# Altium PCB Sensorhub_PCB.PcbDoc (continued)
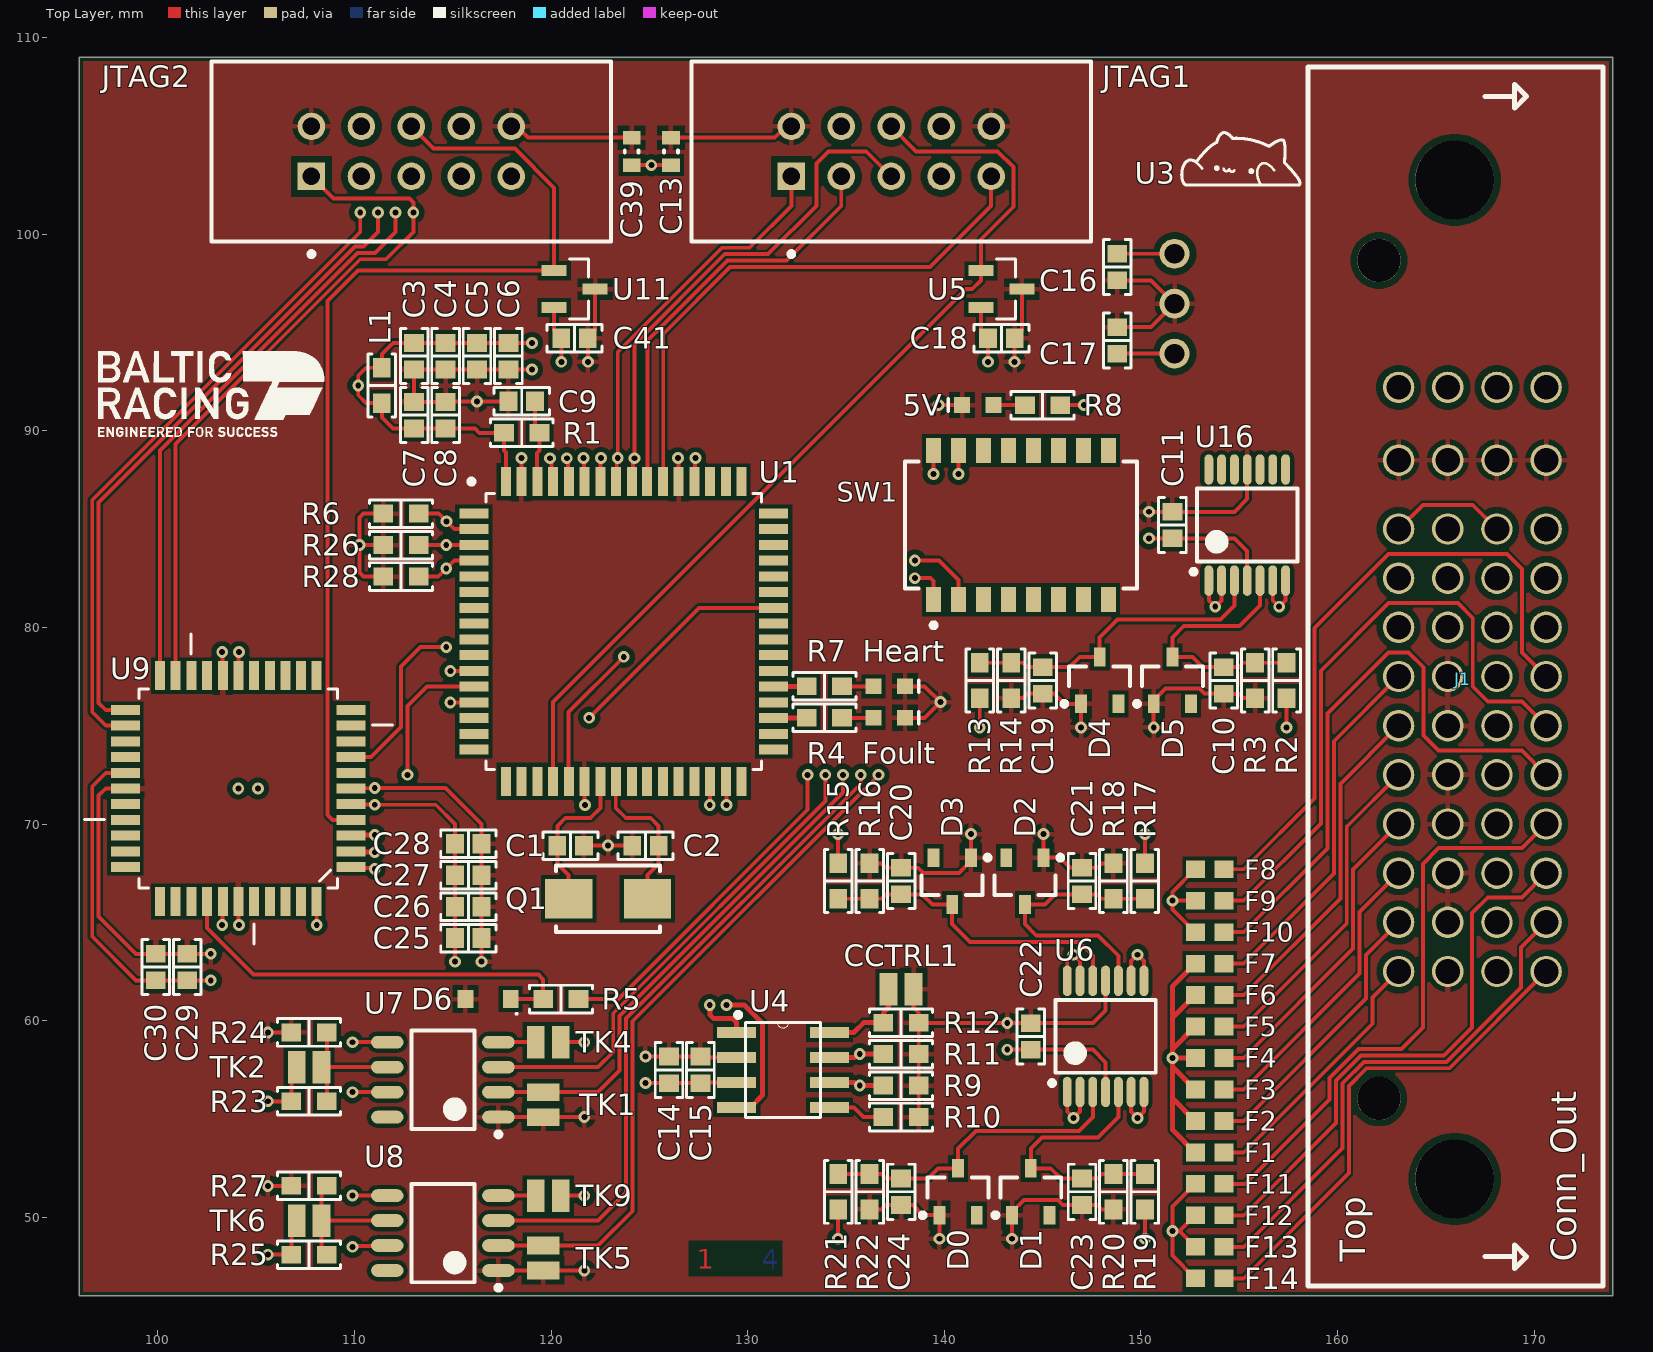
[diagram p0: Top Layer view]
## Footprints (in the part's own frame and the unit in brackets; to place one, negate y for a bottom-side part, rotate by r counter-clockwise, add the part's x,y. Pads: shape width x height; smd on the part's side, far side on the other; paste and mask are expansions set on the pad)
0603_A [mm] "Chip LED, 2-Leads, Body 1.6x0.8mm, IPC Medium Density"
  rect 0.8x0.8 smd: 1(-0.8,0) 2(0.8,0)
  silkscreen extent -1.5,-0.3 -1.5,0.3, body extent -0.8,-0.4 0.8,0.4, height 0.7
5007621001 [mm] "48 Pin CMC Header"
  round 1.6 hole 1.25: 1(-15,0) 2(-12.5,0) 3(-10,0) 4(-7.5,0) 5(-5,0) 6(-2.5,0) 7(0,0) 8(2.5,0) 9(5,0) 10(7.5,0) 11(11,0) 12(14.7,0) 13(-15,-2.5) 14(-12.5,-2.5) 15(-10,-2.5) 16(-7.5,-2.5) 17(-5,-2.5) 18(-2.5,-2.5) 19(0,-2.5) 20(2.5,-2.5) 21(5,-2.5) 22(7.5,-2.5) 23(11,-2.5) 24(14.7,-2.5) 25(-15,-5) 26(-12.5,-5) 27(-10,-5) 28(-7.5,-5) 29(-5,-5) 30(-2.5,-5) 31(0,-5) 32(2.5,-5) 33(5,-5) 34(7.5,-5) 35(11,-5) 36(14.7,-5) 37(-15,-7.5) 38(-12.5,-7.5) 39(-10,-7.5) 40(-7.5,-7.5) 41(-5,-7.5) 42(-2.5,-7.5) 43(0,-7.5) 44(2.5,-7.5) 45(5,-7.5) 46(7.5,-7.5) 47(11,-7.5) 48(14.7,-7.5)
  round 4 hole 4: NC(-25.55,-2.85) NC(25.25,-2.85)
  round 2.2 hole 2.2: NC(-21.45,1) NC(21.15,1)
  silkscreen extent -31,-10.4 31,4.6, body extent -40.39,-47.1 40.19,2, height 33.69
*QFP80P1600X1600X120-64N [mil]
  rect 58x20 smd: 1(-300,236) 2(-300,205) 3(-300,173) 4(-300,142) 5(-300,110) 6(-300,79) 7(-300,47) 8(-300,16) 9(-300,-16) 10(-300,-47) 11(-300,-79) 12(-300,-110) 13(-300,-142) 14(-300,-173) 15(-300,-205) 16(-300,-236) 33(300,-236) 34(300,-205) 35(300,-173) 36(300,-142) 37(300,-110) 38(300,-79) 39(300,-47) 40(300,-16) 41(300,16) 42(300,47) 43(300,79) 44(300,110) 45(300,142) 46(300,173) 47(300,205) 48(300,236)
  rect 20x58 smd: 17(-236,-300) 18(-205,-300) 19(-173,-300) 20(-142,-300) 21(-110,-300) 22(-79,-300) 23(-47,-300) 24(-16,-300) 25(16,-300) 26(47,-300) 27(79,-300) 28(110,-300) 29(142,-300) 30(173,-300) 31(205,-300) 32(236,-300) 49(236,300) 50(205,300) 51(173,300) 52(142,300) 53(110,300) 54(79,300) 55(47,300) 56(16,300) 57(-16,300) 58(-47,300) 59(-79,300) 60(-110,300) 61(-142,300) 62(-173,300) 63(-205,300) 64(-236,300)
  silkscreen extent -310,-276 276,305, body extent -270,-270 270,270, height 30
*SOIC127P600X175-8N [mil]
  rect 78x22 smd: 1(-93,75) 2(-93,25) 3(-93,-25) 4(-93,-75) 5(93,-75) 6(93,-25) 7(93,25) 8(93,75)
  silkscreen extent -95,-95 75,115, body extent -75,-95 75,95, height 80
*SOT95P237X112-3N [mil]
  rect 22x50 smd: 1(-37,-41) 2(37,-41) 3(0,41)
  silkscreen extent -60,-10 60,28, body extent -60,-25 60,25, height 50
ANALOG_RU14 [mm] "Analog Devices 14-Lead Thin Shrink Small Outline Package [TSSOP]"
  oval 1.55x0.45 smd: 1(-2.825,1.95) 2(-2.825,1.3) 3(-2.825,0.65) 4(-2.825,0) 5(-2.825,-0.65) 6(-2.825,-1.3) 7(-2.825,-1.95) 8(2.825,-1.95) 9(2.825,-1.3) 10(2.825,-0.65) 11(2.825,0) 12(2.825,0.65) 13(2.825,1.3) 14(2.825,1.95)
  silkscreen extent -2.5,-2.55 1.85,2.85, body extent -3.2,-2.55 3.2,2.55, height 1.2
"CAP 0603/1608" [mm] "Chip Capacitor, 2-Leads, Body 1.60x0.80mm, IPC Medium Density"
  rect 0.9x1 smd: 1(-0.675,0) 2(0.675,0)
  silkscreen extent -1.4,-0.7 1.4,0.7, body extent -0.8,-0.41 0.8,0.41, height 0.82
CAPC0603(1608)100_L [mm] "Chip Capacitor, Body 1.6x0.8mm, Height 1.0mm, IPC High Density"
  rect 0.7x0.9 smd: 1(-0.7,0) 2(0.7,0)
  silkscreen extent -0.05,-0.35 0.05,0.35, body extent -0.87,-0.47 0.88,0.48, height 1
FP-1-1571983-1-MFG [mm]
  rect 0.76x1.27 smd paste+0 mask+0: 1(-4.445,-3.795) 2(-3.175,-3.795) 3(-1.905,-3.795) 4(-0.635,-3.795) 5(0.635,-3.795) 6(1.905,-3.795) 7(3.175,-3.795) 8(4.445,-3.795) 9(4.445,3.795) 10(3.175,3.795) 11(1.905,3.795) 12(0.635,3.795) 13(-0.635,3.795) 14(-1.905,3.795) 15(-3.175,3.795) 16(-4.445,3.795)
  silkscreen extent -5.89,-5.22 5.89,3.22, body extent -5.99,-4.53 5.99,4.53, height 0.25
"NDK NX5032GA" [mm] "Crystal, 2-Leads, Body 5.00x3.20mm, IPC Medium Density"
  rect 2.4x2 smd: 1(-2,0) 2(2,0)
  silkscreen extent -2.65,-1.7 2.65,1.7, body extent -2.5,-1.6 2.5,1.6, height 1.2
QFP80P1200X1200X120-44N [mil]
  rect 58x20 smd: 1(-226,157) 2(-226,126) 3(-226,94) 4(-226,63) 5(-226,30.98) 6(-226,0) 7(-226,-31) 8(-226,-63) 9(-226,-94) 10(-226,-126) 11(-226,-157) 23(226,-157) 24(226,-126) 25(226,-94) 26(226,-63) 27(226,-31) 28(226,0) 29(226,31) 30(226,63) 31(226,94) 32(226,126) 33(226,157)
  rect 20x58 smd: 12(-157,-226) 13(-126,-226) 14(-94,-226) 15(-63,-226) 16(-31,-226) 17(0,-226) 18(31,-226) 19(63,-226) 20(94,-226) 21(126,-226) 22(157,-226) 34(157,226) 35(126,226) 36(94,226) 37(63,226) 38(31,226) 39(0,226) 40(-31,226) 41(-63,226) 42(-94,226) 43(-126,226) 44(-157,226)
  silkscreen extent -309,-309 308,311
RESC1608X06N [mm] "Chip Resistor, 2-Leads, Body 1,60x0,80mm, IPC Medium Density"
  rect 0.95x0.9 smd: 1(-0.725,0) 2(0.725,0)
  body extent -0.85,-0.45 0.85,0.45, height 0.55
SIP3_RECOM [mm]
  round 1.524 hole 1: 1(-2.54,-2.25) 2(0,-2.25) 3(2.54,-2.25)
  body extent -5.75,-4.25 5.75,4.25, height 10.4
SMD-JUMPER-OPEN [mm] "Jumper, SMD"
  rect 0.9x1.65 smd: 1(-0.635,0) 2(0.635,0)
SOD-323-2 [mm] "SODFL, 2-Leads, Body 1,30x2,50mm, IPC Low Density"
  rect 0.8x0.9 smd: 1C(-1.15,0) 2A(1.15,0)
  silkscreen extent -1.5,0.7 -1.4,0.8, body extent -1.25,-0.72 1.25,0.72, height 1.15
SOIC8 [mm] "SOIC, 8-Leads, Body 4,90x3,90mm, Pitch 1,27mm, IPC Low Density"
  oval 1.65x0.65 smd: 1(-2.825,1.905) 2(-2.825,0.635) 3(-2.825,-0.635) 4(-2.825,-1.905) 5(2.825,-1.905) 6(2.825,-0.635) 7(2.825,0.635) 8(2.825,1.905)
  silkscreen extent -2.95,-2.5 1.6,2.9, body extent -3,-2.5 3,2.5, height 1.75
SOT95P248X115-3N [mm] "SOT23, 3-Leads, Body 2,95x2,48mm, Pitch 0,95mm, IPC Medium Density"
  rect 0.95x0.6 smd: 1(-1.19,0.95) 2(-1.19,-0.95) 3(1.19,0)
  silkscreen extent -1.31,-1.55 0.71,1.92, body extent -0.71,-1.55 0.71,1.55, height 1.15
"STACKPOLE CSR0603" [mm] "Chip Resistor, 2-Leads, Body 1.60x0.80mm, IPC Medium Density"
  rect 1x0.9 smd: 1(-0.9,0) 2(0.9,0)
  silkscreen extent -1.6,-0.7 1.6,0.7, body extent -0.85,-0.4 0.85,0.4, height 0.45
TECO-5103309-1_V [mm] "Male Header, 10-Leads, Body 20.32x9.144mm, Pitch 2.54mm"
  rect 1.4x1.4 hole 0.889: 1(5.08,1.27)
  round 1.4 hole 0.889: 2(5.08,-1.27) 3(2.54,1.27) 4(2.54,-1.27) 5(0,1.27) 6(0,-1.27) 7(-2.54,1.27) 8(-2.54,-1.27) 9(-5.08,1.27) 10(-5.08,-1.27)
  silkscreen extent -10.16,-4.57 10.16,5.35, body extent -10.16,-4.57 10.16,4.57, height 9.85

## Part data
5V: library part CMP-1426-00002-1, "SMD mono-color Chip LED, WL-SMCW, Green", Color=Green, Manufacturer="Wuerth Elektronik", ComponentLink1Description="Manufacturer URL", ComponentLink1URL=http://www.we-online.com, ComponentLink2Description=Datasheet, ComponentLink2URL=http://katalog.we-online.com/led/datasheet/150060GS75000.pdf, PackageReference=0603_A, PartNumber=150060GS75000
C1 C2 C3 C4 C5 C6 C7 C8 C9 C10 C11 C14 C15 C16 C17 C18 C19 C20 C21 C22 C23 C24 C25 C26 C27 C28 C29 C30 C41: "Capacitor with multiple Footprints"
C13 C39: library part CMP-1035-02579-1, "CAP 100nF 10V ±5% 0603 (1608 Metric) Thickness 1mm SMD", Case-EIA=0603, Case-Metric=1608, Rated Voltage="10 V", Tolerance=Â±5%, Max Thickness="1 mm", Technology=SMT
D0 D1 D2 D3 D4 D5: "Zener-Diode 5.1 Volt 0.225W 5% AUTO", ComponentLink1Description=Mouser, ComponentLink1URL=https://www.mouser.de/ProductDetail/Vishay-Semiconductors/MMBZ4625-HE3-08?qs=ESFF34UzhwghTg091CfyaQ==, ComponentLink2Description=Datasheet, ComponentLink2URL=https://www.mouser.de/datasheet/2/427/VISH_S_A0006718872_1-2569675.pdf
D6: "onsemi MM3Z4V7T1G / Z-Diode, 4,7V", ComponentLink1Description=Octopart, ComponentLink1URL=https://octopart.com/mm3z4v7t1g-onsemi-331144?r=sp
F1 F2 F3 F4 F5 F6 F7 F8 F9 F10 F11 F12 F13 F14: "0603 SMD Slow Blow Fuse", ComponentLink1Description=Mouser, ComponentLink1URL=https://www.mouser.de/ProductDetail/Bourns/SF-0603S100-2?qs=GIQXYiEeHGDLNhFbhYWnxw==, ComponentLink2Description=Datasheet, ComponentLink2URL=https://www.mouser.de/datasheet/2/54/sf0603s-777859.pdf
Foult Heart: library part CMP-1426-00003-1, "SMD mono-color Chip LED, WL-SMCW, Blue", Color=Blue, Manufacturer="Wuerth Elektronik", ComponentLink1Description="Manufacturer URL", ComponentLink1URL=http://www.we-online.com, ComponentLink2Description=Datasheet, ComponentLink2URL=http://katalog.we-online.com/led/datasheet/150060BS75000.pdf, PackageReference=0603_A, PartNumber=150060BS75000
J1: library part 5007621001, "Molex 48 Pin CMC Header"
JTAG1 JTAG2: library part CMP-2000-07502-1, "Male Header, Pitch 2.54 mm, 2 x 5 Position, Height 9.855 mm, Tail Length 3.048 mm, -65 to 105 degC, RoHS, Tube", Colour=Black, Current Rating=1A, Flammability Rating=UL94V-0, Insulation Resistance=5GR, Manufacturer="TE Connectivity", Max Operating Temperature=105degC, Min Operating Temperature=-65degC, Package Description="Male Header, Pitch 2.54 mm, 2 x 5 Position, Height 9.855 mm, Tail Length 3.048 mm", Package Quantity=35, Board Standoff=Yes(With), Body Material=Thermoplastic, Connector System=Wire-to-Board, Connector Type=Header, Contact Gender=Male, Contact Material=CopperAlloy, Contact Mating Length=0.24inch, Contact Plating=Gold, Contact Shape=Square, Datasheet URL=http://www.te.com/commerce/DocumentDelivery/DDEController?Action=showdoc&DocId=Customer+Drawing%7F5103309%7FE1%7Fpdf%7FEnglish%7FENG_CD_5103309_E1.pdf%7F5103309-1, Datasheet Version="Rev. E1, 03/2011", Depth=9.14mm, ELV=Compliant, Gender=Male, Height=8.813mm, Housing Colour=Black, Housing Material=PBT, Lead Free=LeadFree, Length=0.8inch, Manufacturer URL=http://www.te.com/, Mating Alignment=Yes(With), Mating Connector Lock=No(Without), Mating Retention=No(Without), Max Current Rating=1A, Mount=ThroughHole, Mounting Technology=ThroughHole, Number Of Contacts=10, Number of Positions=10, Number of Rows=2, Orientation=Straight, Package Reference=5103309-1, Packaging=Rail/Tube, Panel Mount Retention=No(Without), PCB Mount Alignment=No(Without), PCB Mount Retention=Without, PCB Mounting Orientation=Vertical, Pitch=2.54mm, REACH SVHC=NoSVHC, RoHSCompliant=True, Row Spacing=2.54mm, Shrouded=Yes(With), Shrouded End Dimension=3.81mm, Termination=ThroughHole, Termination Post Length=0.12inch
Q1: library part "16 MHz Quartz", "16 MHz Quartz"
R1 R2 R3 R5 R6 R9 R10 R11 R12 R13 R14 R15 R16 R17 R18 R19 R20 R21 R22 R23 R24 R25 R26 R27 R28: "Resistor with multiple footprints"
R4 R7 R8: library part "SMD Resistor", "Resistor with multiple footprints"
SW1: library part CMP-03400-000003-1, "SWITCH SLIDE DIP SPST 25MA 24V", Contact Current Rating=25mA, Contact Resistance=100mΩ, Manufacturer="TE Connectivity", Temperature="-30°C to +85°C", Temperature Range High=+85°C, Temperature Range Low=-30°C, Voltage Rating Dc=50V, Automotive=No, Category=Switch, ComponentLink2Description=Datasheet, ComponentLink2URL=https://www.te.com/commerce/DocumentDelivery/DDEController?Action=showdoc&DocId=Catalog+Section%7F1308111-1_SWITCHES_CORE_PROGRAM_CATALOG%7F0308%7Fpdf%7FEnglish%7FENG_CS_1308111-1_SWITCHES_CORE_PROGRAM_CATALOG_0308.pdf%7F1-1571983-1, Device Class L1=Electromechanical, Device Class L2=Switches, Device Class L3="DIP Switches", Digikey Description="SWITCH SLIDE DIP SPST 25MA 24V", Electromechanical Life=1000Cycles, Footprint Url=https://www.te.com/commerce/DocumentDelivery/DDEController?Action=showdoc&DocId=Customer+Drawing%7F1571983%7FC6%7Fpdf%7FEnglish%7FENG_CD_1571983_C6.pdf%7F1-1571983-1, Height=2.56mm, Lead Free=Yes, Manufacturer Part Number=1-1571983-1, Mount="Surface Mount", Mouser Description="Switch DIP OFF ON SPST 8 Recessed Rocker 0.025A 24VDC Gull Wing 1.27mm SMD T/R", Number Of Circuits=8, Octopart=https://octopart.com/1-1571983-1-te+connectivity-40115518, Package=1-1571983-1, RoHS=TRUE, Standoff Height=0mm, Throw Configuration=SPST
U1: "Ic Mcu 8bit 128kb Flash 64tqfp", Package="TQFP-64 Microchip", Availability=Unavailable, MF=Microchip, MP=AT90CAN128-16AI, Price=None, SnapEDA_Link=https://www.snapeda.com/parts/AT90CAN128-16AI/Microchip/view-part/?ref=snap
U3: library part R-78E05-1.0, "Nonisolated 5V Switchmode converter"
U4: "MCP2551 Series 5.5 V 1 Mb/s Surface Mount High-Speed CAN Transceiver - SOIC-8", Package="SOIC-8 Microchip", Availability=Unavailable, MF=Microchip, MP=MCP2551-I/SN, Price=None, SnapEDA_Link=https://www.snapeda.com/parts/MCP2551-I/SN/Microchip/view-part/?ref=snap
U5 U11: "System Supervisors - Power Supply Monitors with Reset Generators Open Drain Low", Package="SOT-23-3 Microchip", Availability=Unavailable, MF=Microchip, MP=MCP120T-450I/TT, Price=None, SnapEDA_Link=https://www.snapeda.com/parts/MCP120T-450I/TT/Microchip/view-part/?ref=snap
U6 U16: "30 V, Low Noise, Rail-to-Rail Input/Output, Low Power Operational Amplifiers"
U7 U8: library part MAX31855KASA+, "No Description Available", Built_By=EMA_UL_Team, Copyright="Copyright (C) 2018 Accelerated Designs. All rights reserved", Manufacturer_Part_Number=MAX31855KASA+, RefDes=RefDes, Type=DEV, Vendor="Maxim Integrated Products"
U9: "8-bit Microcontroller", Package=None, Availability=Unavailable, MP=ATMEGA16-16AUR, Price=None

## Via types
v1: diameter 0.6, hole 0.3, Top Layer to Bottom Layer, 107 vias

## Nets (pads, with @x,y where several pads share a name; then routed paths per layer and width w, separated by ;. In a path a pad name is that pad's centre, name@x,y a point inside that pad or via, vN(x,y) a via of type N, cw(c..) or ccw(c..) an arc to the next point about the centre after c; other vN are vias at no path point)
+5V: C3.2 C4.2 C5.2 C6.2 C7.1 C8.1 C11.1 C13.1 C14.2 C15.2 C17.2 C18.1 C22.1 C25.2 C26.2 C27.2 C28.2 C29.2 C30.2 C39.1 C41.1 F8.2 F9.2 F10.2 F11.2 F12.2 F13.2 F14.2 JTAG1.4 JTAG1.7 JTAG2.4 JTAG2.7 L1.1 L1.2 R1.2 R8.1 TK4.1 TK9.1 U1.21 U1.52 U1.64 U3.3 U4.3 U5.2 U6.4 U9.5 U9.17 U9.27 U9.38 U11.2 U16.4 | length 153.3
  Top Layer w0.2: U9.27 97.36,72.587 96.673,71.9 96.673,64.277 98.9,62.05 C30.2 v1(102.7,62.05) ; v1(103.279,64.86) 103.296,64.877 103.296,66.043 U9.38 ; U9.17 104.117,77.557 104.117,78.723 v1(104.134,78.74) ; U9.5 109.857,70.996 111.023,70.996 v1(111.04,70.979) 114.14,70.979 115.119,70 C28.2 C27.2 C26.2 C25.2 v1(115.119,63) ; U1.64 117.706,88.893 117.612,88.986 R1.2 116.351,89.887 116.126,90.112 C8.1 C7.1 111.962,90.112 111.4,90.675 L1.1 110.6,91.4 110.2,91.8 v1(110.2,92.3) 110.2,92.8 110.6,93.2 L1.2 111.4,93.9 111.962,94.462 C3.2 C4.2 C5.2 C6.2 v1(119.037,94.462) ; U11.2 120.159,95.116 120.525,94.75 C41.1 v1(120.525,93.5) ; TK9.1 v1(121.695,51.1) ; TK4.1 v1(121.695,58.905) ; U1.21 120.889,72.187 120.889,75.689 v1(123.7,78.5) ; C39.1 v1(125.1,103.5) C13.1 ; v1(124.8,56.825) C14.2 C15.2 127.64,56.865 U4.3 ; U1.52 127.324,87.427 127.324,88.593 v1(127.341,88.61) ; U5.2 141.859,95.116 142.225,94.75 C18.1 v1(142.225,93.5) ; v1(143.2,58.525) C22.1 147.55,58.525 148.2,57.875 U6.4 ; R8.1 v1(147.1,91.3) ; C17.2 U3.3 ; v1(150.4,84.525) C11.1 154.75,84.525 155.4,83.875 U16.4 ; F14.2 152.75,46.9 151.6,48.05 v1(151.6,49.3) ; F13.2 152.75,48.5 151.95,49.3 ; F12.2 152.75,50.1 151.95,49.3 ; F11.2 152.75,51.7 151.6,50.55 v1(151.6,49.3) ; F10.2 152.75,64.5 151.6,65.65 v1(151.6,66.1) ; F9.2 v1(151.6,66.1) ; F8.2 152.75,67.7 151.6,66.55 v1(151.6,66.1) ; v1(151.6,49.3) 151.95,49.3
  Inner Layer2 w0.2: v1(103.279,64.86) 103.279,70.979 v1(104.1,71.8) ; v1(104.134,78.74) 104.117,78.723 104.117,71.817 v1(104.1,71.8) ; v1(111.04,70.979) 104.921,70.979 v1(104.1,71.8) ; v1(119.037,94.462) 122.489,94.462 127.341,89.61 v1(127.341,88.61) 127.341,82.141 v1(123.7,78.5)
+24V: C16.2 F1.1 F2.1 F3.1 F4.1 F5.1 F6.1 F7.1 J1.12 J1.24 J1.36 J1.48 U3.1 | length 81.9
  Top Layer w0.2: C16.2 U3.1
  Top Layer w0.254: F1.1 152.75,53.3 151.6,54.45 151.6,56.05 ; F2.1 152.75,54.9 151.6,56.05 ; F3.1 152.75,56.5 151.6,57.65 ; F4.1 v1(151.6,58.1) ; F5.1 152.75,59.7 151.6,58.55 ; F6.1 152.75,61.3 151.6,60.15 ; F7.1 152.75,62.9 151.6,61.75 151.6,60.15 ; 151.6,56.05 151.6,57.65 ; 151.6,57.65 v1(151.6,58.1) ; v1(151.6,58.1) 151.6,58.55 ; 151.6,58.55 151.6,60.15
  Inner Layer2 w0.2: v1(151.6,58.1) 158.827,65.327 158.827,87.927 J1.12 ; U3.1 158.502,92.2 J1.12 ; J1.48 J1.36 J1.24 J1.12
Analog_in_0: J1.25 R21.2 | length 43
  Top Layer w0.2: v1(134.6,48.91) R21.2
  Inner Layer1 w0.2: v1(134.6,48.91) 135.254,48.256 156.932,48.256 168.1,59.424 J1.25
Analog_in_0_Filtered: U1.61 U6.1 U6.2 | length 59.9
  Top Layer w0.2: v1(119.951,88.6) 120.022,88.529 120.022,87.481 U1.61 ; U6.1 146.25,55.375 v1(146.575,55.05) 146.9,55.375 U6.2
  Inner Layer1 w0.2: v1(119.951,88.6) 119.951,78.424 123.356,75.019 130.352,75.019 130.63,74.741 130.63,59.458 135.023,55.065 142.052,55.065 142.364,55.377 146.14,55.377 146.467,55.05 v1(146.575,55.05)
Analog_in_1: J1.26 R19.2 | length 29.3
  Top Layer w0.2: v1(150.2,48.91) R19.2
  Inner Layer1 w0.2: v1(150.2,48.91) 150.308,48.91 150.635,48.583 156.797,48.583 166.83,58.616 166.83,63.73 J1.26
Analog_in_1_Filtered: U1.60 U6.6 U6.7 | length 62.5
  Top Layer w0.2: v1(120.805,88.6) 120.855,88.55 120.855,87.46 U1.60 ; U6.6 149.5,55.375 v1(149.825,55.05) 150.15,55.375 U6.7
  Inner Layer1 w0.2: v1(120.805,88.6) 120.805,78.033 123.492,75.346 130.487,75.346 130.957,74.876 130.957,59.593 135.158,55.392 141.917,55.392 142.229,55.704 149.171,55.704 v1(149.825,55.05)
Analog_in_2: J1.27 R17.2 | length 29.7
  Top Layer w0.2: R17.2 v1(150.2,69.49)
  Inner Layer1 w0.2: v1(150.2,69.49) 152.419,71.709 160.764,71.709 161.216,71.257 161.216,65.145 162.591,63.77 166.109,63.77 166.87,64.531 166.87,66.27 J1.27
Analog_in_2_Filtered: U1.59 U6.8 U6.9 | length 64.5
  Top Layer w0.2: v1(121.659,88.61) 121.676,88.593 121.676,87.427 U1.59 ; U6.9 149.5,63.025 v1(149.825,63.35) 150.15,63.025 U6.8
  Inner Layer1 w0.2: v1(121.659,88.61) 121.659,77.641 123.627,75.673 130.623,75.673 131.284,75.012 131.284,59.729 135.294,55.719 141.781,55.719 147.062,61 147.475,61 v1(149.825,63.35)
Analog_in_3: J1.28 R15.2 | length 43.4
  Top Layer w0.2: R15.2 v1(134.6,69.49)
  Inner Layer1 w0.2: v1(134.6,69.49) 137.146,72.036 160.9,72.036 161.543,71.393 161.543,67.318 162.591,66.27 166.109,66.27 166.87,67.031 166.87,68.77 J1.28
Analog_in_3_Filtered: U1.58 U6.13 U6.14 | length 61.7
  Top Layer w0.2: U1.58 122.523,87.427 122.523,88.593 v1(122.54,88.61) ; U6.14 146.25,63.025 v1(146.575,63.35) 146.9,63.025 U6.13
  Inner Layer1 w0.2: v1(122.54,88.61) 122.54,77.222 123.151,76.611 123.762,76 130.758,76 131.611,75.147 131.611,59.864 135.429,56.046 141.646,56.046 146.575,60.975 v1(146.575,63.35)
Analog_in_4: J1.29 R13.2 | length 34.1
  Top Layer w0.2: v1(141.8,74.91) R13.2
  Inner Layer1 w0.2: v1(141.8,74.91) 144.347,72.363 161.035,72.363 161.87,71.528 161.87,69.491 162.591,68.77 166.109,68.77 166.87,69.531 166.87,71.27 J1.29
Analog_in_4_Filtered: SW1.16 U16.1 U16.2 | length 23.7
  Top Layer w0.2: v1(139.455,87.795) SW1.16 ; U16.1 153.45,81.375 v1(153.775,81.05) 154.1,81.375 U16.2
  Inner Layer1 w0.2: v1(139.455,87.795) 139.926,87.324 139.926,83.112 141.661,81.377 153.34,81.377 153.667,81.05 v1(153.775,81.05)
Analog_in_5: J1.30 R2.2 | length 16.3
  Top Layer w0.2: v1(157.4,74.91) R2.2
  Inner Layer1 w0.2: v1(157.4,74.91) 159.62,72.69 161.171,72.69 162.591,71.27 166.109,71.27 166.87,72.031 166.87,73.77 J1.30
Analog_in_5_Filtered: SW1.15 U16.6 U16.7 | length 26.5
  Top Layer w0.2: v1(140.725,87.795) SW1.15 ; U16.6 156.7,81.375 v1(157.025,81.05) 157.35,81.375 U16.7
  Inner Layer1 w0.2: v1(140.725,87.795) 140.253,87.323 140.253,83.247 141.796,81.704 156.371,81.704 v1(157.025,81.05)
CAN_N: J1.9 J1.10 J1.33 J1.34 R11.2 U4.7 | length 74.8
  Top Layer w0.2: J1.10 164.33,86.23 166.87,86.23 J1.34
  Top Layer w0.254: U4.7 135.441,58.135 135.606,58.3 v1(135.7,58.3) R11.2
  Inner Layer1 w0.2: v1(135.7,58.3) 134.356,58.3 132.443,60.213 132.392,60.264 132.392,61.021 132.534,61.163 133.574,61.163 133.716,61.304 133.716,61.729 133.574,61.871 132.534,61.871 132.392,62.012 132.392,62.437 132.534,62.579 133.44,62.579 133.581,62.72 133.581,63.145 133.44,63.287 132.534,63.287 132.392,63.428 132.392,63.624 132.392,75.812 136.522,79.942 157.484,79.942 159.281,81.739 159.281,84.223 161.288,86.23 161.87,86.23 J1.10 J1.9 ; J1.33 J1.34
CAN_P: J1.21 J1.22 J1.45 J1.46 R9.1 U4.6 | length 74.8
  Top Layer w0.254: U4.6 135.441,56.865 ; v1(135.7,56.7) R9.1
  Inner Layer1 w0.2: 131.938,60 131.938,76 136.334,80.396 157.296,80.396 158.827,81.927 158.827,84.411 161.1,86.684 163.916,86.684 J1.22 ; J1.21 J1.22 ; J1.45 J1.46 169.37,86.23 166.83,86.23 J1.22
  Inner Layer1 w0.254: 131.965,60.011 135.276,56.7 v1(135.7,56.7)
CS_Digital_In_1: R28.2 U1.4 U9.44 | length 27.3
  Top Layer w0.2: v1(108.088,64.86) U9.44 ; R28.2 114.267,82.584 v1(114.674,82.99) 115.08,83.397 U1.4
  Inner Layer1 w0.2: v1(108.088,64.86) 108.088,79.988 111.09,82.99 v1(114.674,82.99)
CS_TYPK_1_5V: R6.2 R23.2 TK2.2 U1.2 | length 40.7
  Top Layer w0.2: v1(105.6,55.9) R23.2 106.8,57.37 TK2.2 ; R6.2 114.293,85.784 v1(114.686,85.39) 115.08,84.997 U1.2
  Inner Layer1 w0.2: v1(105.6,55.9) 107.107,57.407 107.107,65.322 107.434,65.649 107.434,80.259 112.566,85.39 v1(114.686,85.39)
CS_TYPK_2_5V: R25.2 R26.2 TK6.2 U1.3 | length 47.4
  Top Layer w0.2: v1(105.6,48.1) R25.2 106.8,49.57 TK6.2 ; R26.2 v1(114.674,84.184) U1.3
  Inner Layer1 w0.2: v1(105.6,48.1) 107.434,49.934 107.434,65.187 107.761,65.514 107.761,80.123 111.822,84.184 v1(114.674,84.184)
Digi_1_5V_in: D6.1C R5.2 U9.37 | length 22.2
  Top Layer w0.2: U9.37 102.5,64.714 104.868,62.346 119.354,62.346 119.6,62.1 R5.2 D6.1C
Digi_in_1: J1.31 R5.1 | length 64.9
  Top Layer w0.2: R5.1 123.425,61.1 133.05,70.725 v1(133.05,72.5)
  Inner Layer1 w0.2: v1(133.05,72.5) 133.05,76.008 136.658,79.615 157.619,79.615 159.234,81.23 168.609,81.23 ; J1.31 169.043,78.443 169.043,79.204 169.33,79.491 169.33,80.509 168.609,81.23 ; 170.375,81.23 168.609,81.23
GND: 5V.1 C1.1 C2.1 C3.1 C4.1 C5.1 C6.1 C7.2 C8.2 C9.2 C10.1 C11.2 C13.2 C14.1 C15.1 C16.1 C17.1 C18.2 C19.1 C20.1 C21.1 C22.2 C23.1 C24.1 C25.1 C26.1 C27.1 C28.1 C29.1 C30.1 C39.2 C41.2 CCTRL1.1 D0.1 D1.1 D2.1 D3.1 D4.1 D5.1 D6.2A Foult.1 Heart.1 J1.11 J1.13 J1.14 J1.15 J1.16 J1.17 J1.18 J1.19 J1.23 J1.35 J1.47 JTAG1.2 JTAG1.10 JTAG2.2 JTAG2.10 R3.2 R6.1 R9.2 R10.2 R11.1 R12.1 R14.2 R16.2 R18.2 R20.2 R22.2 R24.1 R26.1 R27.1 R28.1 TK1.1 TK5.1 U1.22 U1.53 U1.63 U3.2 U4.2 U5.3 U6.11 U7.1 U8.1 U9.6 U9.18 U9.28 U9.39 U11.3 U16.11 | length 215.6
  Top Layer w0.2: U9.28 97.36,71.8 97,71.44 97,65.3 98.9,63.4 C30.1 v1(102.7,63.4) ; v1(103.279,78.74) 103.296,78.723 103.296,77.557 U9.18 ; U9.39 104.117,66.043 104.117,64.877 v1(104.134,64.86) ; v1(105.6,51.6) R27.1 ; v1(105.6,59.4) R24.1 ; U9.6 109.857,71.817 111.023,71.817 v1(111.04,71.834) 114.635,71.834 116.469,70 C28.1 C27.1 C26.1 C25.1 v1(116.469,63) ; R28.1 110.467,82.584 110.267,82.784 v1(110.267,84.184) ; R26.1 v1(110.267,84.184) ; R6.1 110.467,85.784 110.267,85.584 v1(110.267,84.184) ; U8.1 TK5.1 v1(121.695,47.295) ; U7.1 TK1.1 v1(121.695,55.095) ; C9.2 114.662,91.487 C8.2 C7.2 C3.1 C4.1 C5.1 C6.1 v1(119.037,93.112) ; JTAG2.10 118.254,105.47 118.824,104.9 C39.2 ; U1.63 v1(118.493,88.61) ; C1.1 v1(122.9,68.9) C2.1 ; U1.22 121.71,72.153 121.71,70.987 v1(121.727,70.97) ; v1(121.875,93.5) 121.875,94.75 122.241,95.116 U11.3 ; v1(124.8,58.175) C14.1 C15.1 127.64,58.135 U4.2 ; C13.2 131.376,104.9 131.946,105.47 JTAG1.2 ; v1(126.46,88.61) 126.477,88.593 126.477,87.427 U1.53 ; R22.2 136.8,50.4 137.025,50.625 138.4,50.625 138.9,50.125 138.9,50.11 D0.1 v1(139.75,48.91) ; R16.2 136.8,68 137.025,67.775 138.67,67.775 138.93,67.515 140.75,67.515 141.35,68.115 v1(141.35,69.49) ; Foult.1 139,75.4 v1(139.8,76.2) 139,77 Heart.1 ; CCTRL1.1 138.435,60.665 138.7,60.4 R12.1 ; R10.2 R9.2 R11.1 R12.1 ; v1(139.7,91.3) 5V.1 ; R14.2 144,76.4 144.225,76.625 C19.1 145.6,76.625 145.6,76.61 146.1,76.11 D4.1 v1(146.95,74.91) ; v1(143.446,48.91) 143.446,50.285 144.046,50.885 145.77,50.885 145.946,50.709 ; v1(143.575,93.5) C18.2 143.575,94.75 143.941,95.116 U5.3 ; v1(145.046,69.49) D2.1 145.89,68.29 146.4,67.78 146.4,67.775 147.775,67.775 148,68 R18.2 ; 145.946,50.709 146.03,50.625 147.775,50.625 148,50.4 R20.2 ; U6.11 148.2,60.525 147.55,59.875 C22.2 v1(143.2,59.875) 138.725,59.875 R12.1 ; C17.1 150.516,95.266 U3.2 150.516,97.646 C16.1 ; v1(150.4,85.875) C11.2 154.75,85.875 155.4,86.525 U16.11 ; v1(150.646,74.91) D5.1 ; D5.1@150.646,76.285 151.246,76.885 152.97,76.885 153.23,76.625 C10.1 ; C10.1@154.2,76.6 155,76.6 155.2,76.4 R3.2
  Inner Layer1 w0.2: v1(103.279,78.74) 103.279,73.621 v1(105.1,71.8) 104.134,70.834 v1(104.134,64.86)
  Inner Layer2 w0.2: v1(105.1,71.8) 105.117,71.817 111.023,71.817 v1(111.04,71.834) ; v1(119.037,93.112) 119.304,92.846 123.224,92.846 126.46,89.61 v1(126.46,88.61) 126.46,82.185 122.594,78.319 122.594,71.837 v1(121.727,70.97)
  other v1: 116.237,91.487
JTAG_TCK: JTAG1.1 SW1.1 U1.57 | length 42
  Top Layer w0.2: U1.57 123.344,87.46 123.344,88.56 v1(123.394,88.61) 123.394,93.994 128.7,99.3 130.09,99.3 132.22,101.43 JTAG1.1 ; v1(138.5,82.5) 139.3,82.5 139.455,82.345 SW1.1
  Inner Layer1 w0.2: v1(123.394,88.61) 123.394,84.506 125.114,82.786 137.214,82.786 137.5,82.5 v1(138.5,82.5)
JTAG_TCK_DI1: JTAG2.1 U9.21 | length 35.6
  Top Layer w0.2: U9.21 100.9,89.312 110.302,98.715 111.615,98.715 113,100.1 v1(113,101.1) 113,101.6 112.8,101.8 108.95,101.8 JTAG2.1
JTAG_TDI: JTAG1.9 U1.54 | length 28.4
  Top Layer w0.2: U1.54 125.707,94.919 129.106,98.319 139.269,98.319 142.38,101.43 JTAG1.9
JTAG_TDI_DI1: JTAG2.9 U9.24 | length 45.6
  Top Layer w0.2: U9.24 97.36,75 96.673,75.687 96.673,86.473 110.3,100.1 v1(110.3,101.1)
  Inner Layer1 w0.2: v1(110.3,101.1) 110.3,101.6 110.1,101.8 109.892,101.8 109.23,102.462 109.23,103.398 110.172,104.34 116.57,104.34 JTAG2.9
JTAG_TDO: JTAG1.3 U1.55 | length 21.4
  Top Layer w0.2: U1.55 124.902,87.418 124.902,94.577 128.971,98.646 131.976,98.646 134.76,101.43 JTAG1.3
JTAG_TDO_DI1: JTAG2.3 U9.23 | length 34.8
  Top Layer w0.2: U9.23 97.36,75.788 97,76.148 97,86.338 110.031,99.369 110.469,99.369 111.2,100.1 v1(111.2,101.1)
  Inner Layer1 w0.2: JTAG2.3 111.2,102.09 v1(111.2,101.1)
JTAG_TMS: JTAG1.5 SW1.2 U1.56 | length 48.9
  Top Layer w0.2: U1.56 124.177,87.481 124.177,88.529 v1(124.248,88.6) 124.248,94.386 128.835,98.973 131.033,98.973 133.49,101.43 133.49,103.59 134.1,104.2 136.03,104.2 JTAG1.5 ; v1(138.5,83.4) 139.73,83.4 140.725,82.405 SW1.2
  Inner Layer1 w0.2: v1(124.248,88.6) 124.248,84.114 125.248,83.114 137.214,83.114 137.5,83.4 v1(138.5,83.4)
JTAG_TMS_DI1: JTAG2.5 U9.22 | length 31.2
  Top Layer w0.2: U9.22 100.112,88.987 110.167,99.042 111.042,99.042 112.1,100.1 v1(112.1,101.1)
  Inner Layer1 w0.2: v1(112.1,101.1) 112.1,102.13 JTAG2.5
MISO_5V: U1.13 U7.7 U8.7 U9.2 | length 37.7
  Top Layer w0.2: v1(109.9,48.5) 109.933,48.533 111.643,48.533 U8.7 ; v1(109.9,56.365) U7.7 ; v1(114.88,76.183) U1.13
  Top Layer w0.254: U9.2 109.857,68.583 111.024,68.583 v1(111.04,68.566)
  Inner Layer1 w0.2: v1(109.9,48.5) 110.554,49.154 110.554,55.711 v1(109.9,56.365) 110.554,57.019 110.554,59.176 110.227,59.503 110.227,67.823 110.97,68.566 v1(111.04,68.566) 111.085,68.566 112.021,69.502 112.021,75.222 112.983,76.183 v1(114.88,76.183)
MOSI: U1.12 U9.1 | length 14.1
  Top Layer w0.2: U9.1 109.89,67.762 110.99,67.762 v1(111.04,67.712) ; v1(112.7,72.5) 112.7,76 113.696,76.996 U1.12
  Inner Layer1 w0.2: v1(111.04,67.712) 111.111,67.712 112.7,69.301 v1(112.7,72.5)
Net5V_2: 5V.2 R8.2 | length 1.6
  Top Layer w0.2: 5V.2 R8.2
NetC1_2: C1.2 Q1.2 U1.23 | length 7.8
  Top Layer w0.2: Q1.2 120.9,67.4 120.325,67.975 C1.2 120.325,69.9 120.741,70.316 121.998,70.316 122.506,70.824 U1.23
NetC2_2: C2.2 Q1.1 U1.24 | length 7.8
  Top Layer w0.2: U1.24 123.294,70.824 123.802,70.316 125.059,70.316 125.475,69.9 C2.2 125.475,67.975 124.9,67.4 Q1.1
NetC9_1: C9.1 R1.1 U1.62 | length 4.2
  Top Layer w0.2: C9.1 119.187,90.112 R1.1 119.412,88.986 119.297,88.871 119.297,87.419 U1.62
NetC10_2: C10.2 D5.3 R2.1 R3.1 U16.5 | length 13.5
  Top Layer w0.2: U16.5 156.05,81.1 155.019,80.069 152.175,80.069 151.596,79.49 D5.3 152.61,78.49 153.125,77.975 C10.2 154.975,77.975 155.2,78.2 R3.1 R2.1
NetC19_2: C19.2 D4.3 R13.1 R14.1 U16.3 | length 16.2
  Top Layer w0.2: R13.1 R14.1 144,78.2 144.225,77.975 C19.2 146.371,77.975 146.886,78.49 D4.3 147.9,79.49 148.806,80.396 154.046,80.396 154.75,81.1 U16.3
NetC20_2: C20.2 D3.3 R15.1 R16.1 U6.12 | length 16.2
  Top Layer w0.2: R15.1 R16.1 136.8,66.2 137.025,66.425 C20.2 138.875,66.425 139.39,65.91 D3.3 140.4,64.91 141.306,64.004 146.846,64.004 147.55,63.3 ; U6.12 147.55,63.3
NetC21_2: C21.2 D2.3 R17.1 R18.1 U6.10 | length 14.1
  Top Layer w0.2: U6.10 148.85,63.3 147.819,64.331 144.675,64.331 144.096,64.91 D2.3 145.114,65.91 145.629,66.425 147.775,66.425 148,66.2 R17.1
NetC23_2: C23.2 D1.3 R19.1 R20.1 U6.5 | length 13.5
  Top Layer w0.2: U6.5 148.85,55.1 147.819,54.069 144.975,54.069 144.396,53.49 D1.3 145.41,52.49 145.925,51.975 C23.2 147.775,51.975 148,52.2 R20.1 R19.1
NetC24_2: C24.2 D0.3 R21.1 R22.1 U6.3 | length 16.2
  Top Layer w0.2: R21.1 R22.1 136.8,52.2 137.025,51.975 C24.2 139.171,51.975 139.686,52.49 D0.3 140.7,53.49 141.606,54.396 146.846,54.396 147.55,55.1 U6.3
NetCCTRL1_2: CCTRL1.2 R12.2 U4.8 | length 4.8
  Top Layer w0.254: U4.8 135.405,59.405 135.9,59.9 R12.2 136.9,60.4 137.165,60.665 CCTRL1.2
NetF1_2: F1.2 J1.1 | length 13.5
  Top Layer w0.2: F1.2 155.225,53.3 161.77,59.845 161.77,61.17 J1.1
NetF2_2: F2.2 J1.2 | length 14.4
  Top Layer w0.2: F2.2 155.225,54.9 161.443,61.118 161.443,63.343 J1.2
NetF3_2: F3.2 J1.3 | length 15.3
  Top Layer w0.2: F3.2 155.225,56.5 161.116,62.391 161.116,65.516 J1.3
NetF4_2: F4.2 J1.4 | length 16.2
  Top Layer w0.2: F4.2 155.225,58.1 160.789,63.664 160.789,67.689 J1.4
NetF5_2: F5.2 J1.5 | length 17.1
  Top Layer w0.2: F5.2 155.225,59.7 160.462,64.937 160.462,69.862 J1.5
NetF6_2: F6.2 J1.6 | length 18
  Top Layer w0.2: F6.2 155.225,61.3 160.135,66.21 160.135,72.035 J1.6
NetF7_2: F7.2 J1.7 | length 18.9
  Top Layer w0.2: F7.2 155.225,62.9 159.808,67.483 159.808,74.208 J1.7
NetF8_1: F8.1 J1.43 | length 33.2
  Top Layer w0.2: F8.1 155.225,67.7 158.827,71.302 158.827,79.966 162.591,83.73 168.609,83.73 169.37,82.969 169.37,78.73 J1.43
NetF9_1: F9.1 J1.42 | length 31.8
  Top Layer w0.2: F9.1 155.225,66.1 159.154,70.029 159.154,77.793 162.591,81.23 166.109,81.23 166.87,80.469 166.87,76.991 167.631,76.23 169.37,76.23 J1.42
NetF10_1: F10.1 J1.41 | length 30.9
  Top Layer w0.2: F10.1 155.225,64.5 159.481,68.756 159.481,75.62 162.591,78.73 163.609,78.73 164.37,77.969 164.37,74.491 165.131,73.73 169.37,73.73 J1.41
NetF11_1: F11.1 J1.40 | length 29.5
  Top Layer w0.2: F11.1 155.289,51.7 159.589,56 159.589,57.09 161.06,58.561 163.236,58.561 164.33,59.655 164.33,67.969 165.131,68.77 169.37,68.77 J1.40
NetF12_1: F12.1 J1.39 | length 28.3
  Top Layer w0.2: F12.1 155.225,50.1 159.916,54.791 159.916,56.955 161.195,58.234 165.409,58.234 166.83,59.655 166.83,65.469 167.631,66.27 169.37,66.27 J1.39
NetF13_1: F13.1 J1.38 | length 26.3
  Top Layer w0.2: F13.1 155.225,48.5 160.243,53.518 160.243,56.819 161.331,57.907 165.545,57.907 169.33,61.692 169.33,63.73 J1.38
NetF14_1: F14.1 J1.37 | length 25.4
  Top Layer w0.2: F14.1 155.225,46.9 160.57,52.245 160.57,56.684 161.466,57.58 165.68,57.58 J1.37
NetFoult_2: Foult.2 R4.1 | length 1.6
  Top Layer w0.2: R4.1 Foult.2
NetHeart_2: Heart.2 R7.1 | length 1.6
  Top Layer w0.2: R7.1 Heart.2
NetR4_2: R4.2 U1.35 | length 1.7
  Top Layer w0.254: U1.35 132.996,75.396 R4.2
NetR7_2: R7.2 U1.37 | length 1.7
  Top Layer w0.254: U1.37 132.996,76.996 R7.2
NetR10_1: R10.1 U4.5 | length 2.9
  Top Layer w0.2: U4.5 135.405,55.595 135.9,55.1 R10.1
NetR23_1: R23.1 R24.2 TK2.1 U7.6 | length 7.1
  Top Layer w0.2: R23.1 108.6,57.37 TK2.1 ; R24.2 108.6,57.9 TK2.1 ; U7.6 TK2.1
NetR25_1: R25.1 R27.2 TK6.1 U8.6 | length 7.1
  Top Layer w0.2: R25.1 108.335,48.365 TK6.1 ; R27.2 108.335,51.335 TK6.1 ; U8.6 TK6.1
NetTK4_2: TK4.2 U7.4 | length 1.9
  Top Layer w0.2: U7.4 TK4.2
NetTK9_2: TK9.2 U8.4 | length 1.9
  Top Layer w0.2: U8.4 119.22,51.105 TK9.2
Reset_uC: JTAG1.6 U1.20 U5.1 | length 48.2
  Top Layer w0.2: U1.20 120.093,76.193 141.1,97.2 141.419,97.2 141.859,97.64 U5.1 141.859,99.733 143.51,101.384 143.51,103.398 142.708,104.2 138.57,104.2 JTAG1.6
Reset_uC_1: JTAG2.6 U9.4 U11.1 | length 52.4
  Top Layer w0.2: U9.4 108.9,70.2 108.642,70.458 108.642,96.592 110.19,98.14 U11.1 120.159,102.349 118.168,104.34 114.03,104.34 JTAG2.6
SCK_SPI_5V: U1.11 U7.5 U8.5 U9.3 | length 36.4
  Top Layer w0.2: v1(109.9,51.105) U8.5 ; v1(109.9,58.905) U7.5 ; v1(114.88,77.783) U1.11
  Top Layer w0.254: U9.3 109.857,69.429 111.024,69.429 v1(111.04,69.446)
  Inner Layer1 w0.2: v1(109.9,51.105) 109.246,51.759 109.246,58.251 v1(109.9,58.905) 109.9,68.35 110.996,69.446 v1(111.04,69.446) 111.111,69.446 111.694,70.029 111.694,76.494 112.6,77.4 112.983,77.783 v1(114.88,77.783)
T+1: J1.8 U7.3 | length 61.1
  Top Layer w0.2: U7.3 122.4,57.635 123.165,58.4 123.165,60.377 133.95,71.162 v1(133.95,72.5)
  Inner Layer1 w0.2: v1(133.95,72.5) 133.95,76.445 136.793,79.288 157.755,79.288 158.467,80 J1.8 164.866,80
T+2: J1.32 U8.3 | length 76.3
  Top Layer w0.2: U8.3 122.4,49.835 123.819,51.254 123.819,60.107 135.75,72.038 v1(135.75,72.5)
  Inner Layer1 w0.2: v1(135.75,72.5) 135.75,77.32 137.064,78.634 158.026,78.634 158.738,79.346 161.552,79.346 161.87,79.028 161.87,76.991 162.631,76.23 166.069,76.23 166.87,77.031 166.87,78.77 J1.32
T-1: J1.20 TK1.2 U7.2 | length 63.6
  Top Layer w0.2: U7.2 TK1.2 122.4,56.365 123.492,57.457 123.492,60.242 134.85,71.6 v1(134.85,72.5)
  Inner Layer1 w0.2: v1(134.85,72.5) 134.85,76.883 136.928,78.961 157.89,78.961 158.602,79.673 161.688,79.673 162.631,78.73 164.33,78.73 J1.20
T-2: J1.44 TK5.2 U8.2 | length 83.4
  Top Layer w0.2: U8.2 TK5.2 122.4,48.565 124.146,50.311 124.146,59.971 136.65,72.475 v1(136.65,72.5)
  Inner Layer1 w0.2: v1(136.65,72.5) 136.65,77.758 137.199,78.307 158.161,78.307 158.873,79.019 161.417,79.019 161.543,78.893 161.543,74.818 162.631,73.73 166.069,73.73 166.85,74.511 166.85,75.489 167.591,76.23 168.569,76.23 169.37,77.031 169.37,78.77 J1.44
uC_Clock: U1.42 U9.8 | length 29.4
  Top Layer w0.2: U9.8 110.84,73.4 112.373,74.933 112.373,78 113.363,78.99 v1(114.674,78.99) ; v1(121.94,75.4) 127.524,80.984 U1.42
  Inner Layer1 w0.2: v1(114.674,78.99) 118.35,78.99 v1(121.94,75.4)
X_CAN_N: U1.31 U4.4 | length 18.8
  Top Layer w0.2: v1@128.917,70.981 U1.31@128.917,72.159
  Top Layer w0.254: U1.31 U1.31@128.917,72.159 ; v1@128.917,70.981 v1(128.928,70.97) ; v1(128.928,60.8) 129.819,60.8 130.755,59.863 130.755,56.201 130.149,55.595 U4.4
  Inner Layer1 w0.2: v1(128.928,60.8) v1(128.928,70.97)
X_CAN_P: U1.30 U4.1 | length 18.7
  Top Layer w0.2: v1@128.084,70.981 U1.30@128.084,72.159
  Top Layer w0.254: v1(128.073,60.8) 128.073,60.3 128.254,60.119 129.224,60.119 129.438,59.905 U4.1 ; v1(128.073,70.97) v1@128.084,70.981 ; U1.30@128.084,72.159 U1.30
  Inner Layer1 w0.254: v1(128.073,60.8) 128.073,61.6 128.073,61.727 127.921,61.879 126.992,61.879 126.84,62.032 126.84,62.489 126.992,62.641 128.295,62.641 128.447,62.794 128.447,63.251 128.295,63.403 127.055,63.403 126.903,63.556 126.903,64.013 127.055,64.165 127.921,64.165 128.073,64.318 128.073,65.227 v1(128.073,70.97)
pads on no net: D0.2 D1.2 D2.2 D3.2 D4.2 D5.2 J1.NC JTAG1.8 JTAG2.8 SW1.3 SW1.4 SW1.5 SW1.6 SW1.7 SW1.8 SW1.9 SW1.10 SW1.11 SW1.12 SW1.13 SW1.14 U1.1 U1.5 U1.6 U1.7 U1.8 U1.9 U1.10 U1.14 U1.15 U1.16 U1.17 U1.18 U1.19 U1.25 U1.26 U1.27 U1.28 U1.29 U1.32 U1.33 U1.34 U1.36 U1.38 U1.39 U1.40 U1.41 U1.43 U1.44 U1.45 U1.46 U1.47 U1.48 U1.49 U1.50 U1.51 U7.8 U8.8 U9.7 U9.9 U9.10 U9.11 U9.12 U9.13 U9.14 U9.15 U9.16 U9.19 U9.20 U9.25 U9.26 U9.29 U9.30 U9.31 U9.32 U9.33 U9.34 U9.35 U9.36 U9.40 U9.41 U9.42 U9.43 U16.8 U16.9 U16.10 U16.12 U16.13 U16.14

## Polygon pours and split planes (outlines as drawn)
GND on Inner Layer1 "GND_L02_P012" (solid, pour order 12): 174,46 96,46 96,109 174,109
+5V on Inner Layer2 "+5V_L03_P009" (solid, pour order 9): 96,109 96,46 174,46 174,109
GND on Bottom Layer "GND_L04_P008" (solid, pour order 8): 96,109 174,109 174,46 96,46
GND on Top Layer "GND_L01_P014" (solid, pour order 14): 96,109 174,109 174,46 96,46

## Other copper
Top Layer:
  pour cut-out: 127,48.8 131.771,48.8 131.771,46.992 127,46.992
  text "1" at 127.404,47.396 h1
Inner Layer1:
  pour cut-out: 127,48.8 131.771,48.8 131.771,46.992 127,46.992
  text "2" at 128.304,47.396 h1
Inner Layer2:
  pour cut-out: 127,48.8 131.771,48.8 131.771,46.992 127,46.992
  text "3" at 129.504,47.396 h1
Bottom Layer:
  pour cut-out: 127,48.8 131.771,48.8 131.771,46.992 127,46.992
  text "4" at 130.704,47.396 h1

## Silkscreen, mask and mechanical layers (free items; w line width, h text height)
Top Overlay:
  drawing of 37 lines, arcs and shapes, not listed
Boardoutline:
  the board outline again, w0.254

## Text inside footprints (layer, text, board x,y; h text height)
J1: Top Overlay "Top" at 161.413,47.754 h1.3 r90; Top Overlay "Conn_Out" at 172.129,47.754 h1.3 r90